# Allegro board pc065a_toplevel_43_allrouted.brd (continued)
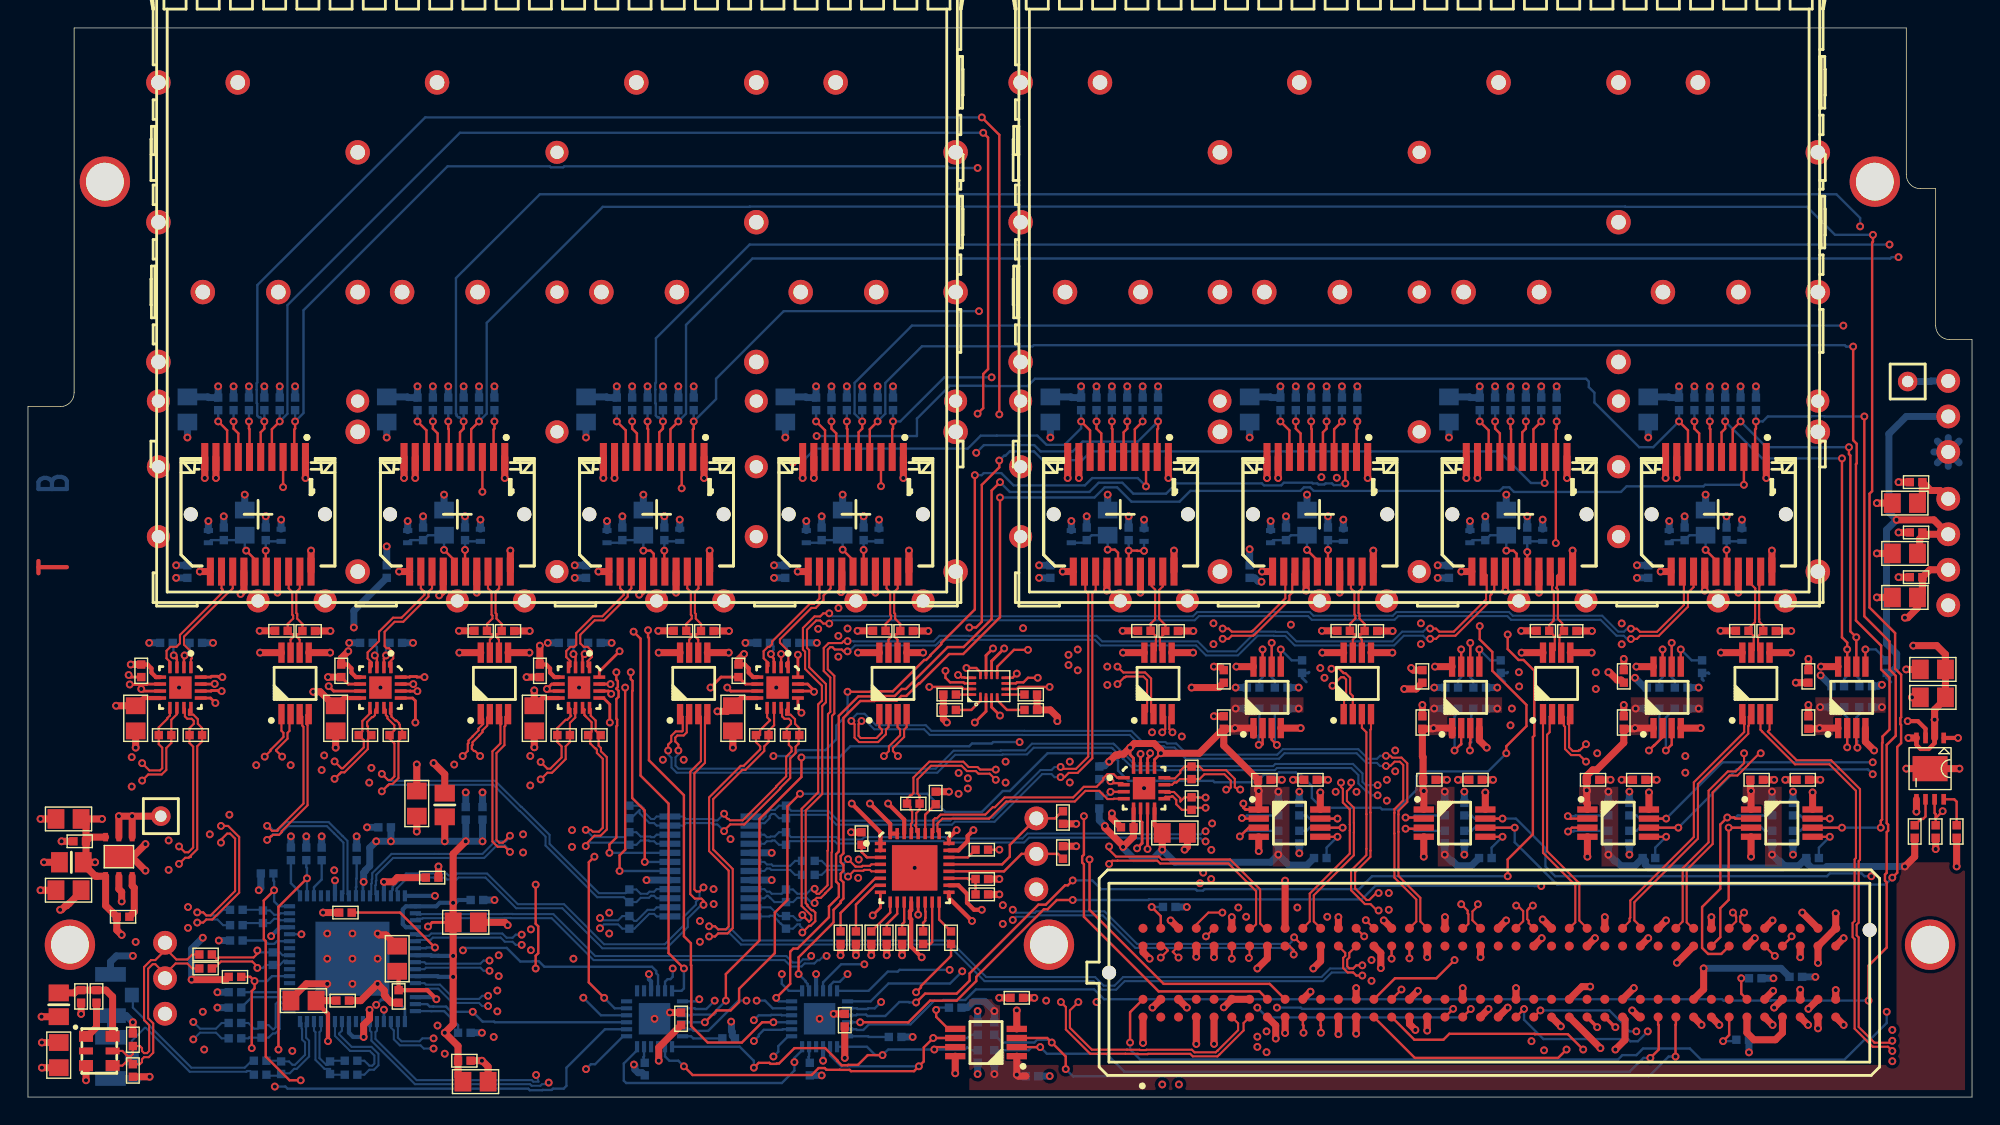
[diagram p0: board, top side]
## Routing (per net, layer and track width the routed paths; a pad name or vN(x,y) marks a point on that pad's centre or on a via; arc(x,y) is an arc through that point) (continued)
  TOP w0.15: IC4.10 10.65,27.39 10.25,26.99 R61.2 10.25,25.34 9.89,24.98 9.89,23.41 9.56,23.08 8.6,23.08 v1(8.16,22.65) ; v1(90.5,10.2) 90.5,10.51 90.2,10.8 89.89,10.8
  L3 w0.15: v1(8.16,22.65) 8.61,23.09 14.18,23.09 16.48,20.79 32.89,20.79 32.93,20.83 48.17,20.83 49.83,22.49 65.94,22.49 66.14,22.29 66.71,22.29 66.92,22.08 v1(67.2,22.08)
  L4 w0.15: v1(67.2,22.08) 67.63,22.08 67.84,22.29 68.11,22.29 68.6,21.8 68.6,13.73 68.72,13.61 68.72,13.55 69.36,12.91 70.27,12.91 70.41,12.76 v1(70.41,12.67)
  BOTTOM w0.15: v1(90.5,10.2) 90.35,10.35 90.35,10.52 90.2,10.67 79.18,10.67 76.85,13 72.22,13 72.12,12.9 70.64,12.9 v1(70.41,12.67)
FMC_LA_P<4>: length 84.6
  TOP w0.15: J10.H10 91.64,12.57 91.64,14.56 94.51,17.42 94.51,19.06 94.52,19.06 94.52,19.49 94.51,19.49 94.51,20.58 94.02,21.07 94.02,22.06 93.88,22.19 v1(93.88,22.5) ; U4.1 32.38,27.25 32.49,27.13 32.49,27.11 32.55,27.06 32.55,26.7 32.21,26.36 32.21,26.23 31.8,25.83 31.8,25.81 31.5,25.51 31.5,25.32 31.45,25.27 31.45,24.76 v1(31.08,24.4)
  L3 w0.15: v1(93.88,22.5) 93.88,22.93 94.09,23.14 94.09,23.41 93.94,23.56 93.6,23.56 93.19,23.98 87.46,23.98 87.34,24.09 84.97,24.09 82.45,26.62 79.85,26.62 78.91,25.68 73.51,25.68 72.35,24.52 69.69,24.52 69.66,24.49 68.23,24.49 67.83,24.09 66.71,24.09 66.11,23.49 55.66,23.49 55.64,23.48 49.11,23.48 47.83,22.19 38.03,22.19 37.31,21.47 33.74,21.47 31.62,23.59 31.62,23.86 v1(31.08,24.4)
FMC_LA_P<6>: length 24.4
  TOP w0.17: 91.16,5.73 91.16,5.16 91.2,5.12 v1(91.2,4.6) ; IC12.3 87.28,19.27 v1(86.65,18.65)
  L3 w0.17: v1(86.54,13.56) v1(90.76,13.56)
  L4 w0.17: v1(90.76,13.56) 90.76,12.04 91.1,11.7 91.1,9.86 90.76,9.52 90.76,5.04 v1(91.2,4.6) ; v1(86.65,18.65) 86.65,18.16 86.54,18.05 v1(86.54,13.56)
  BOTTOM w0.17: R136.1 87.05,19.05 v1(86.65,18.65)
FMC_LA_P<7>: length 72
  TOP w0.15: U5.1 46.81,27.21 46.81,26.21 46.76,26.16 46.31,26.16 45.99,25.84 45.99,25.44 45.77,25.22 v1(45.77,24.79) ; J10.H13 v1(95.54,11.5)
  L4 w0.15: v1(96.5,21.59) 96.78,21.59 96.98,21.79 97.31,21.79 97.67,21.42 97.67,21 97.58,20.91 97.58,19.18 96.39,17.99 96.39,16.83 94.88,15.31 94.88,14.41 94.52,14.06 94.52,12.32 94.85,11.98 95.14,11.98 95.16,11.97 v1(95.54,11.5)
  BOTTOM w0.15: v1(96.5,21.59) 96.07,21.59 95.74,21.92 95.64,21.92 95.12,22.44 95.12,23.04 94.62,23.55 89.3,23.55 89.15,23.39 79.14,23.39 78.33,24.2 78.3,24.2 77.56,24.94 77.55,24.94 77.49,25 71.91,25 71.43,24.52 69.69,24.52 69.66,24.49 66.3,24.49 65.02,23.21 46.38,23.21 46.01,23.58 46.01,24.28 45.77,24.51 v1(45.77,24.79)
FMC_LA_P<8>: length 72.7
  TOP w0.15: v1(48.7,11.49) 49.13,11.49 49.35,11.71 50.02,11.71 50.39,12.08 50.39,16.32 48.99,17.72 48.99,21.32 51.08,23.41 51.29,23.41 52.65,24.76 52.65,25.09 52.95,25.4 R73.2 52.95,26.2 53.35,26.6 IC7.10 ; 93.69,10.8 94.19,10.32 94.19,10.1 94.03,9.95 94.03,9.23 94.35,8.91 94.76,8.91 94.98,8.69 v1(95.4,8.69)
  BOTTOM w0.15: v1(48.7,11.49) 49.13,11.49 49.35,11.71 50.18,11.71 50.98,10.91 65.78,10.91 68.39,8.29 76.18,8.29 76.8,7.68 77.8,7.68 78.42,8.29 92.61,8.29 93.22,8.91 94.76,8.91 94.98,8.69 v1(95.4,8.69)
FMC_LA_P<9>: length 27.3
  TOP w0.17: v1(102,9.8) 100.7,8.5 97.74,8.5 J10.D14 ; v1(103.1,24.8) 103.1,25.37 103.12,25.39 IC18.3
  L4 w0.17: v1(102,9.8) 102,13.53 101.95,13.58 101.95,19.65 103.3,21 103.3,24.11 103.1,24.31 v1(103.1,24.8)
  BOTTOM w0.17: v1(103.1,24.8) 103.1,25.29 103.19,25.38 103.19,27.33 103.35,27.49 R161.1
FMC_LA_P<10>: length 35.3
  TOP w0.17: IC15.3 110.39,19.27 v1(110.11,19) ; v1(110.01,3.4) 109.41,2.8 99.16,2.8 96.23,5.73
  L4 w0.17: v1(110.01,3.4) 110.01,3.92 110.11,4.02 110.11,4.83 110.12,4.84 110.12,5.28 110.11,5.29 v1(110.11,19)
  BOTTOM w0.17: v1(110.11,19) 110.5,19 110.55,19.05 R146.1
FMC_LA_P<11>: length 57.9
  TOP w0.15: 98.78,12.08 99.27,12.57 99.27,14.13 97.7,15.7 97.7,18.86 97.69,18.87 97.69,20.33 97.7,20.34 97.7,20.6 98.33,21.23 98.33,23.76 98.09,24 97.71,24 97.41,23.69 v1(97.1,23.69) ; v1(59.6,26.91) 59.6,26.91 59.39,26.7 59.39,25.84 59.54,25.69 60.66,25.69 61.05,26.08 61.05,26.29 60.88,26.47 U6.1
  BOTTOM w0.15: v1(97.1,23.69) 96.67,23.69 96.45,23.91 95.69,23.91 95,24.6 89.84,24.6 89.45,24.21 82.78,24.21 81.98,25.01 81.32,25.01 81.21,25.12 80.45,25.12 80.45,25.12 79.57,25.12 78.78,25.91 71.12,25.91 71.11,25.91 64.47,25.91 64.07,26.31 60.51,26.31 59.92,26.91 v1(59.6,26.91)
FMC_LA_P<12>: length 14.8
  TOP w0.17: v1(97.5,9.9) 97.5,10.8 97.5,10.8 ; IC14.3 99.72,19.2 v1(98.5,19.2)
  L4 w0.17: v1(97.5,9.9) 98.5,10.9 v1(98.5,19.2)
  BOTTOM w0.17: v1(98.5,19.2) 98.99,19.2 99.14,19.05 R141.1
FMC_LA_P<14>: length 36.8
  TOP w0.17: IC17.3 88.92,25.57 v1(89.3,25.2) ; 101.31,5.73 v1(101.9,6.31)
  L4 w0.17: v1(89.3,6.4) 89.3,9.26 89.17,9.38 89.17,9.82 89.3,9.94 89.3,16.7 88.88,17.13 88.88,22.07 88.9,22.1 88.9,22.69 89.35,23.14 89.35,24.65 89.3,24.7 v1(89.3,25.2)
  BOTTOM w0.17: v1(101.9,6.31) 91.09,6.31 91,6.4 v1(89.3,6.4) ; R156.1 89.15,25.45 89.3,25.31 v1(89.3,25.2)
FMC_LA_P<15>: length 52.4
  TOP w0.15: U10.1 80.02,27.59 80.02,29.83 79.75,30.09 78.51,30.09 78.46,30.04 78.39,30.04 v1(77.9,29.55) ; J10.H19 102.67,12.08 102.99,12.39 102.99,13.09 102.94,13.14 102.94,13.34 v1(102.48,13.8)
  L3 w0.15: v1(77.9,29.55) 78.27,29.92 91.33,29.92 93.16,28.1 97.96,28.1 99.08,26.98 100.16,26.98 100.18,26.96 103.23,26.96 103.27,26.95 105.65,26.95 v1(106,26.6)
  L4 w0.15: v1(102.48,13.8) 102.99,14.31 102.99,15.02 104.45,16.48 104.45,21.29 104.74,21.58 104.74,21.58 106.9,23.74 106.9,26.45 106.48,26.87 106.27,26.87 v1(106,26.6)
FMC_LA_P<18>: length 38.5
  TOP w0.17: IC19.3 117.53,25.21 v1(117.11,24.8) ; J10.C22 v1(106.97,6.3)
  L4 w0.17: v1(115.82,4.7) 118.86,7.74 118.86,21.55 117.97,22.43 117.97,23.94 v1(117.11,24.8)
  BOTTOM w0.17: v1(115.82,4.7) 115.11,3.99 114.57,3.99 114.41,4.15 108.35,4.15 106.97,5.53 v1(106.97,6.3) ; R166.1 117.11,27.16 v1(117.11,24.8)
FMC_LA_P<19>: length 37.6
  TOP w0.15: U9.1 94.1,27.42 94.1,28.54 94.24,28.68 94.24,29.88 94.09,30.04 93.88,30.04 v1(93.27,29.43) ; v1(106.41,13.7) 106.51,13.6 106.61,13.6 106.91,13.31 106.91,12.59 106.39,12.08
  L3 w0.15: v1(106.62,29.38) 105.91,30.09 101.06,30.09 100.94,29.98 100.26,29.98 100.14,30.09 99.59,30.09 99.28,29.78 93.58,29.78 v1(93.27,29.43)
  L4 w0.15: v1(106.62,29.38) 107.06,29.82 107.3,29.82 107.57,29.55 107.57,23.01 106.83,22.27 106.83,13.95 106.58,13.7 v1(106.41,13.7)
FMC_LA_P<21>: length 16.5
  TOP w0.15: 110.2,12.08 110.63,12.5 110.63,15.17 108.33,17.48 U8.1
FMC_LA_P<24>: length 19
  TOP w0.15: 114.02,12.08 114.51,12.57 114.51,12.78 114.57,12.84 114.57,14.07 119.11,18.61 119.11,22.52 122.71,26.12 122.71,26.66 122.75,26.7 122.75,27.2 122.58,27.37 U7.1
FMC_LA_P<27>: length 72.4
  TOP w0.17: v1(73.05,29.34) 70.85,29.34 70.7,29.2 IC21.6
  TOP w0.254: J10.C26 v1(112.2,5)
  L3 w0.17: v1(112.1,29.2) 109.97,31.33 107.06,31.33 107.01,31.27 106.58,31.27 106.53,31.33 97.82,31.33 97.77,31.27 92.33,31.27 92.28,31.33 91.59,31.33 91.44,31.17 87.36,31.17 87.26,31.27 86.67,31.27 86.62,31.33 86.18,31.33 86.13,31.27 85.06,31.27 85.01,31.33 84.58,31.33 84.53,31.27 81.33,31.27 80.28,32.33 77.95,32.33 76.64,31.02 76.64,30.45 75.55,29.34 v1(73.05,29.34)
  L4 w0.2: v1(112.1,29.2) 112.76,28.54 112.76,24.37 112.14,23.74 112.14,23.6 112.04,23.51 112.04,16.69 112.06,16.67 112.06,16.54 113.5,15.1 113.5,6.9 112.62,6.02 112.62,5.42 v1(112.2,5)
FMC_LA_P<28>: length 127.9
  TOP w0.15: v1(21.92,22.77) 22.28,23.13 22.29,23.13 22.39,23.24 22.64,23.24 24.3,24.9 24.3,25.6 24.55,25.85 R65.2 24.3,26.15 24.3,26.52 24.25,26.57 24.25,26.84 24.6,27.19 24.67,27.19 24.81,27.33 24.81,27.6 24.84,27.63 24.84,27.74 IC5.10 ; 117.83,12.08 118.31,12.56 118.31,16.37 120.17,18.23 120.17,21.92 121.54,23.3 122.11,23.3 122.7,23.89 v1(122.7,24.6)
  L3 w0.15: v1(21.92,22.77) 22.39,23.23 22.51,23.23 22.53,23.26 22.7,23.26 27.13,27.69 47.23,27.69 47.68,28.15 84.62,28.15 85,27.77 85.01,27.77 85.78,26.99 85.99,26.99 86,26.98 97.69,26.98 99.16,25.5 101.8,25.5 102.09,25.79 103.25,25.79 103.39,25.65 104.44,25.65 104.59,25.49 107.15,25.49 107.2,25.54 109.65,25.54 110.1,25.99 112.77,25.99 113.28,25.48 116.49,25.48 116.65,25.64 119.16,25.64 119.25,25.55 119.95,25.55 120.04,25.64 122.83,25.64 122.98,25.49 122.98,24.88 v1(122.7,24.6)
FMC_LA_P<30>: length 107.6
  TOP w0.15: 121.64,12.08 122.14,12.58 122.14,12.87 122.11,12.9 122.11,12.99 v1(121.9,13.2) ; v1(36.66,22.73) 37.14,23.21 37.47,23.21 38.45,24.18 38.45,25.09 38.75,25.4 R69.2 38.75,26.78 39.13,27.16 39.13,27.4 39.08,27.45 39.08,27.78 IC6.10
  L3 w0.15: v1(36.66,22.73) 37.21,23.28 42.21,23.28 44.71,25.77 49.15,25.77 53.64,25.72 53.97,25.39 64.64,25.39 64.64,25.39 64.65,25.39 64.65,25.39 67.96,25.39 68.56,25.99 71.96,25.99 73.39,27.41 73.81,27.41 73.82,27.41 83.15,27.41 84.85,25.71 85.82,25.71 85.96,25.58 86.64,25.58 86.78,25.71 88.21,25.71 88.22,25.71 90.52,25.71 90.66,25.58 97.79,25.58 99.42,23.94 102.27,23.94 102.52,23.69 109.5,23.69 110.2,22.99 111.63,22.99 112.39,23.75 117.96,23.75 v1(118.5,23.21)
  L4 w0.15: v1(121.9,13.2) 121.9,13.63 122.14,13.87 122.14,21.6 120.05,23.7 119.12,23.7 119.1,23.68 119.11,23.68 118.97,23.68 v1(118.5,23.21)
FMC_LA_P<31>: length 13.8
  TOP w0.17: IC16.3 v1(121.6,19.27) 121.6,14.11 121,13.51 121,11.44 J10.G33
  BOTTOM w0.17: v1(121.6,19.27) 123.96,19.27 124.19,19.05 R151.1
FMC_LA_P<33>: length 23.1
  TOP w0.17: v1(130.8,25) 130.72,25.08 130.72,26.4 ; v1(124.9,10.1) 124.88,10.1 J10.G36
  L4 w0.17: v1(130.8,25) 130.8,15.46 125.44,10.1 v1(124.9,10.1)
  BOTTOM w0.17: v1(130.8,25) 130.8,25.49 130.72,25.57 130.72,27.16 130.95,27.39 R171.1
I2C_SCL: length 110.1
  TOP w0.17: v1(61.1,3) 60.04,3 59.35,2.3 58.65,2.3 58.62,2.28 58.18,2.28 57.88,2.58 57.88,2.62 57,3.5 54.8,3.5 53.7,2.4 53.54,2.4 53.52,2.38 53.08,2.38 53.01,2.45 52.25,2.45 v1(51.9,2.1) ; v1(64.8,3.4) 64.97,3.58 IC11.7 ; R94.1 73.65,17.4 J1.2 71.04,17.4 69.79,16.15 IC9.20 ; v1(17.6,14.8) 16.86,14.06 16.86,11.3 17,11.16 17,2.9 18.7,1.2 v1(19.5,1.2)
  L3 w0.17: v1(51.9,2.1) 51.41,2.1 50.78,1.47 38.73,1.47 38.2,2 36.68,2 36.63,2.05 36.61,2.05 36.55,2.11 36.11,2.11 36.01,2 35.6,2 34.4,0.8 19.9,0.8 v1(19.5,1.2)
  L4 w0.17: J1.2 73.19,16.3 73.19,13.99 70.95,11.75 70.95,7.27 67.09,3.4 v1(64.8,3.4)
  BOTTOM w0.17: IC3.16 17.95,13.65 17.6,14 v1(17.6,14.8) 17.6,15.44 17.55,15.49 R7.2 ; R135.1 67.39,3.35 67.16,3.58 66.99,3.4 v1(64.8,3.4) 61.5,3.4 v1(61.1,3) 60.58,3 59.98,3.6 IC10.19 ; IC23.19 50.89,3.6 51.9,2.59 v1(51.9,2.1)
I2C_SCL_CVCC: length 53
  TOP w0.17: 116.56,5.73 116.56,5.19 116.6,5.15 116.6,3.4 v1(116,2.8) ; IC11.2 v1(72.38,3.58)
  BOTTOM w0.17: v1(116,2.8) 115.51,2.8 114.51,1.81 78.39,1.81 77.1,3.1 72.85,3.1 v1(72.38,3.58) 72.37,3.57 71.77,3.57 71.55,3.35 R132.1
I2C_SDA: length 110.7
  TOP w0.17: IC11.6 v1(64.72,4.23) 64.05,3.55 64.05,2.55 v1(63.7,2.2) 63.35,1.85 58.85,1.85 58.75,1.95 58.05,1.95 58.04,1.95 57.09,1.95 56.97,2.08 56.53,2.08 56.03,1.58 47.52,1.58 v1(46.9,2.2) ; v1(19.95,15.65) 17.91,13.61 v1(17.91,3.4) ; R93.1 73.95,20.45 73.44,19.94 J1.3 70.2,18.04 70.2,17.2 69.65,16.65 IC9.21
  L3 w0.17: v1(17.91,3.4) 19.26,2.05 19.85,2.05 19.92,1.99 33.78,1.99 34.59,2.79 41.21,2.79 42.2,1.8 44.15,1.8 44.42,2.08 46.28,2.08 46.41,2.2 v1(46.9,2.2)
  L4 w0.17: v1(64.72,4.23) 66.71,4.23 68.42,5.94 68.42,9.68 71,12.26 71,18.84 J1.3
  BOTTOM w0.17: R8.2 19.9,16.44 19.95,16.39 v1(19.95,15.65) IC3.18 ; v1(46.9,2.2) 46.5,2.6 45.86,2.6 45.55,2.91 IC23.20 ; v1(63.7,2.2) 58.14,2.2 57.35,2.99 IC10.20 ; R134.1 67.39,4.45 67.16,4.23 v1(64.72,4.23)
I2C_SDA_CVCC: length 56.7
  TOP w0.17: v1(74.2,2) 74.2,2.9 v1(73.2,3.9) 72.88,4.23 IC11.3 ; v1(117.8,2.9) 117.8,5.17 117.83,5.19 J10.C31
  BOTTOM w0.17: v1(117.8,2.9) 117.31,2.9 115.88,1.48 74.72,1.48 v1(74.2,2) ; v1(73.2,3.9) 73,4.1 72.16,4.1 71.96,3.9 69.65,3.9 R131.1
MOD_ABS: length 3.4
  TOP w0.17: v1(15.8,48.35) 15.8,47.83 15.84,47.79 J7.6
  BOTTOM w0.17: R26.1 v1(15.8,48.35)
MOD_ABS_1: length 3.4
  TOP w0.17: v1(30.05,48.35) 30.05,47.83 30.09,47.79 J12.6
  BOTTOM w0.17: R38.1 v1(30.05,48.35)
MOD_ABS_2: length 3.4
  TOP w0.17: v1(44.3,48.35) 44.3,47.83 44.34,47.79 J16.6
  BOTTOM w0.17: R46.1 v1(44.3,48.35)
MOD_ABS_3: length 3.4
  TOP w0.17: J20.6 58.59,47.79 58.55,47.83 v1(58.55,48.35)
  BOTTOM w0.17: R54.1 v1(58.55,48.35)
MOD_ABS_4: length 3.4
  TOP w0.17: v1(120.25,48.35) 120.25,47.83 120.29,47.79 J24.6
  BOTTOM w0.17: R103.1 v1(120.25,48.35)
MOD_ABS_5: length 3.4
  TOP w0.17: J28.6 106.04,47.79 106,47.83 v1(106,48.35)
  BOTTOM w0.17: R111.1 v1(106,48.35)
MOD_ABS_6: length 3.4
  TOP w0.17: v1(91.75,48.35) 91.75,47.83 91.79,47.79 J32.6
  BOTTOM w0.17: R119.1 v1(91.75,48.35)
MOD_ABS_7: length 3.4
  TOP w0.17: J36.6 77.54,47.79 77.5,47.83 v1(77.5,48.35)
  BOTTOM w0.17: R127.1 v1(77.5,48.35)
MUX_OUT_N: length 3.9
  BOTTOM w0.15: C55.1 54.85,15.9 54.49,16.26 53.14,16.26 53.04,16.36 52.83,16.36 52.65,16.18 51.7,16.18
MUX_OUT_P: length 3.9
  BOTTOM w0.15: C56.1 54.85,16.9 54.49,16.55 53.26,16.55 53.16,16.64 52.83,16.64 52.65,16.82 IC8.18
MUX_SEL<0>: length 42.5
  TOP w0.17: v1(64.44,29.34) 66.75,29.34 66.9,29.2 IC21.15 ; v1(42.7,29.3) 42.7,17.7 42.3,17.3 v1(42.3,16.18)
  L3 w0.17: v1(42.7,29.3) 43.23,28.77 54.77,28.77 55.34,29.34 55.8,29.34 56.03,29.58 56.47,29.58 56.7,29.34 58.2,29.34 58.38,29.52 58.82,29.52 59,29.34 v1(64.44,29.34)
  BOTTOM w0.17: 45.9,16.18 v1(42.3,16.18)
MUX_SEL<1>: length 41
  TOP w0.17: v1(44.1,16.82) 44.1,20.5 43.2,21.4 43.2,29.06 43.23,29.08 43.23,29.78 43.1,29.91 v1(43.1,30.4) ; IC21.14 66.96,29.6 66.89,29.67 65.93,29.67 65.6,30.01 v1(65.6,30.5)
  L3 w0.17: v1(65.6,30.5) 65.11,30.5 65.01,30.4 59.22,30.4 59.07,30.26 43.24,30.26 v1(43.1,30.4)
  BOTTOM w0.17: IC8.7 v1(44.1,16.82)
MUX_SEL<2>: length 43.7
  TOP w0.17: v1(66.5,30.2) 66.6,30.2 66.77,30.03 66.94,30.03 66.98,30 IC21.13 ; v1(42.07,30.4) 42.07,29.87 42.17,29.77 42.17,29.33 42.07,29.23 42.07,29.22 42.23,29.07 42.23,28.63 42.07,28.48 42.07,27.07 42.12,27.02 42.12,26.58 42.07,26.53 42.07,18.57 41.58,18.07 v1(41.58,17.48)
  L3 w0.17: v1(66.5,30.2) 66.15,29.85 65.94,29.85 65.82,29.98 65.78,29.98 65.71,29.91 55.9,29.91 55.87,29.88 42.59,29.88 v1(42.07,30.4)
  BOTTOM w0.17: 45.9,17.48 v1(41.58,17.48)
OSC_N: length 15.4
  TOP w0.15: 9.8,10.66 10.61,9.85 11.39,9.85 11.75,10.2 C30.2 ; 9.8,10.66 9.8,10.5 9.1,9.8 8.8,9.8 8.3,9.3 8.3,5.52 8.66,5.15 8.66,3.29 8.51,3.15 8.3,3.15 8.15,3.29 8.15,3.5 8,3.65 R4.2 7.5,3.08 7.34,2.92 7.13,2.92 6.75,3.3 QZ1.5 ; 9.8,10.66 J5.3
OSC_P: length 14.7
  TOP w0.15: J5.2 9.8,8.8 ; 9.8,8.8 9.8,8.81 9.1,9.51 8.92,9.51 8.59,9.18 8.59,5.64 8.95,5.27 8.95,3.17 8.63,2.86 8.3,2.86 8.15,2.71 8.15,2.5 8,2.35 R5.2 7.34,2.51 7.34,2.63 7.13,2.63 6.75,2.25 QZ1.4 ; 9.8,8.8 10.55,9.55 11.39,9.55 11.75,9.2 C29.2
POWER_GOOD: length 79.8
  TOP w0.17: J10.D1 78.8,6.07 v1(78.8,3.9) ; R182.2 136.4,19.96 ; 136.4,19.96 136.4,20.25 136.32,20.33 U11.7 ; 136.4,19.96 v1(136.9,20.46)
  L4 w0.17: v1(132.9,6.1) 132.9,7.46 132.88,7.48 132.88,7.92 132.9,7.94 132.9,13.3 137.25,17.65 137.25,20.11 v1(136.9,20.46)
  BOTTOM w0.17: v1(78.8,3.9) 78.8,3.4 79.52,2.69 113.69,2.69 114,3 115,3 115.47,3.48 118.82,3.48 119.62,2.68 129.88,2.68 131.3,4.1 131.7,4.1 132.9,5.3 v1(132.9,6.1)
PRSNT_L: length 2.6
  TOP w0.17: 81,12.08 81,12.95 v1(80.35,13.6)
  BOTTOM w0.17: R30.2 v1(80.35,13.6)
RD_BUF_N<0>: length 8.9
  TOP w0.15: IC4.4 10.15,31.15 9.91,31.39 9.91,31.94 10.19,32.22 10.62,32.22 10.87,32.47 10.87,33.07 13.91,36.11 13.91,36.33 13.84,36.4 J7.12
RD_BUF_N<1>: length 9.2
  TOP w0.15: IC5.4 24.52,30.75 24.59,30.82 24.59,31.08 24.29,31.39 24.29,31.81 25.1,32.63 25.1,33.3 26.1,34.3 26.71,34.3 28.34,35.93 28.34,36.14 28.09,36.4 J12.12
RD_BUF_N<2>: length 9.4
  TOP w0.15: IC6.4 38.72,30.75 38.79,30.82 38.79,31.18 38.48,31.49 38.48,31.91 38.79,32.22 39.06,32.22 39.2,32.35 39.2,33.2 40.4,34.4 41.06,34.4 42.59,35.93 42.59,36.14 42.34,36.4 J16.12
RD_BUF_N<3>: length 8.9
  TOP w0.15: IC7.4 52.94,30.84 52.94,31.06 52.6,31.4 52.6,31.91 52.91,32.22 53.02,32.22 53.2,32.4 53.2,32.59 55.9,35.29 56.2,35.29 56.59,35.68 J20.12
RD_BUF_P<0>: length 8.6
  TOP w0.15: J7.13 14.64,36.4 14.38,36.14 14.35,36.14 11.16,32.95 11.16,32.37 11.71,31.81 11.71,31.39 11.65,31.32 IC4.1
RD_BUF_P<1>: length 9.2
  TOP w0.15: IC5.1 25.88,30.75 25.81,30.82 25.81,31.08 26.11,31.39 26.11,31.81 25.81,32.12 25.65,32.12 25.5,32.27 25.5,33.29 26.22,34.01 26.83,34.01 28.64,35.81 28.64,36.14 28.89,36.4 J12.13
RD_BUF_P<2>: length 9.5
  TOP w0.15: J16.13 43.14,36.4 42.88,36.14 42.88,35.81 41.18,34.11 40.52,34.11 39.49,33.08 39.49,32.46 39.74,32.22 40.01,32.22 40.31,31.91 40.31,31.49 40.01,31.18 40.01,30.82 40.08,30.75 IC6.1
RD_BUF_P<3>: length 8.9
  TOP w0.15: IC7.1 54.28,30.75 54.21,30.82 54.21,31.04 54.37,31.19 54.37,31.91 53.76,32.51 53.76,32.75 56.02,35 56.32,35 56.88,35.56 56.88,35.89 57.39,36.4 J20.13
RD_MUX_N<0>: length 50.2
  TOP w0.15: v1(10.8,17.93) 11.22,17.52 11.47,17.52 11.81,17.85 11.81,25.08 11.55,25.34 R60.1 11.55,26.4 11.86,26.71 11.86,26.92 11.71,27.07 11.39,27.07 11.22,27.24 11.22,27.77 11.15,27.84 IC4.11
  L3 w0.15: v1(40.9,12.81) 40.47,12.81 40.26,12.6 40.24,12.6 36.29,16.55 34.29,16.55 33.34,17.5 11.31,17.5 11.23,17.5 v1(10.8,17.93)
  BOTTOM w0.15: v1(40.9,12.81) 41.06,12.64 42.19,12.64 42.5,12.95 R74.2 43.35,12.6 43.5,12.6 44.3,13.39 44.77,13.39 44.95,13.57 IC8.2
RD_MUX_N<1>: length 31.6
  TOP w0.15: IC5.11 25.59,27.71 25.59,27.33 25.7,27.22 25.7,27.1 26.2,26.6 26.2,26.25 R64.1 25.85,25.65 26.2,25.3 26.2,22.95 25.94,22.69 25.74,22.69 v1(25.3,23.12)
  BOTTOM w0.15: v1(25.3,23.12) 25.79,22.63 33.4,22.63 35.26,20.77 35.29,20.77 37.3,18.76 37.3,18.11 40.82,14.59 42.72,14.59 42.74,14.61 42.76,14.61 R75.2 43.5,14.85 43.81,14.54 44.29,14.54 44.44,14.7 44.77,14.7 44.95,14.88 45.9,14.88
RD_MUX_N<2>: length 17.6
  TOP w0.15: 39.76,27.74 39.79,27.71 ; 39.76,27.74 IC6.11 ; 39.76,27.74 39.79,27.74 39.79,27.71 ; 39.79,27.71 39.79,27.33 ; 39.79,27.33 39.88,27.24 ; 39.79,27.33 40.3,26.82 40.3,26.15 R68.1 40.2,25.75 40.2,25.3 40.54,24.96 40.57,24.96 40.68,24.85 40.68,24.62 41.1,24.2 41.1,19.27 40.82,18.99 40.38,18.99 40.25,19.12 v1(39.88,19.12)
  BOTTOM w0.15: v1(39.88,19.12) 40.4,18.6 42.65,18.6 R76.2 43.5,18.95 43.81,18.64 44.51,18.64 44.56,18.59 44.77,18.59 44.95,18.77 IC8.10
RD_MUX_N<3>: length 19.5
  TOP w0.15: IC7.11 53.85,27.84 53.92,27.77 53.92,27.24 54.09,27.07 54.41,27.07 54.55,26.92 54.55,26.71 54.25,26.4 R72.1 54.4,25.75 54.4,25.2 54.6,25 54.6,24.74 54.21,24.35 54.21,22.95 53.49,22.23 53.49,22.19 51.1,19.8 50.19,19.8 50.09,19.9 50.03,19.9 49.77,20.15 v1(49.77,20.27)
  BOTTOM w0.15: v1(49.77,20.27) 49.3,19.8 49.08,19.8 48.98,19.89 47.03,19.89 46.85,20.08 IC8.12 44.95,20.08 44.77,19.89 44.56,19.89 44.02,20.43 44.02,20.67 43.83,20.85 R77.2
RD_MUX_N<4>: length 40.5
  TOP w0.15: J36.12 75.6,37.54 75.6,36.23 75.81,36.02 75.81,24.36 74.93,23.48 73.97,23.48 v1(73.83,23.62)
  BOTTOM w0.15: v1(73.83,23.62) 73.4,23.62 73.18,23.4 72.4,23.4 68.99,19.99 66.15,19.99 65.94,19.78 57.92,19.78 57.22,20.48 54.57,20.48 R78.2 53.7,20.85 53.39,20.55 53.06,20.55 52.74,20.23 52.74,20.08 52.55,19.88 51.89,19.88 IC8.13
RD_MUX_N<5>: length 57.7
  TOP w0.15: v1(85.42,33.52) 85.85,33.52 86.07,33.3 87.49,33.3 87.55,33.36 87.57,33.36 89.9,35.69 89.9,37.49 J32.12
  L4 w0.15: v1(84.2,19.02) 84.84,19.02 85.18,19.36 85.18,20.28 84.8,20.66 84.8,22.5 83.94,23.36 83.94,32.89 84.43,33.38 85.01,33.38 85.14,33.52 v1(85.42,33.52)
  BOTTOM w0.15: IC8.15 52.65,18.77 52.83,18.59 53.04,18.59 53.09,18.64 53.39,18.64 53.7,18.95 R79.2 54.55,18.6 57.8,18.6 57.97,18.44 59.63,18.44 59.8,18.6 65.59,18.6 65.68,18.51 71.11,18.51 71.45,18.86 79.38,18.86 79.44,18.8 83.85,18.8 84.07,19.02 v1(84.2,19.02)
RD_MUX_N<6>: length 76.4
  TOP w0.15: v1(58.6,32.62) 58.32,32.62 58.19,32.48 57.25,32.48 56.9,32.13 56.9,30.48 57.37,30.02 57.37,27.57 57.2,27.4 57.2,17.66 57.17,17.63 57.17,15.15 56.73,14.71 56.73,14.7 56.57,14.54 56.4,14.54 56.25,14.69 v1(56.25,14.9) ; v1(100.25,33.52) 100.68,33.52 100.9,33.3 101.94,33.3 104.25,35.61 104.25,36.07 104.3,36.12 104.3,37.34 J28.12
  BOTTOM w0.15: v1(56.25,14.9) 56.03,14.9 55.67,14.54 55.22,14.54 55.01,14.54 54.7,14.85 R80.2 53.9,14.54 53.18,14.54 53.03,14.7 52.83,14.7 52.65,14.88 51.7,14.88 ; v1(58.6,32.62) 59.03,32.62 59.04,32.6 64.77,32.6 65.17,33.01 67.27,33.01 67.29,32.98 67.71,32.98 67.73,33.01 76.41,33.01 76.81,32.6 83.64,32.6 84.35,31.89 86.39,31.89 87.81,33.3 89.19,33.3 89.21,33.29 90.02,33.29 90.69,32.6 97.56,32.6 98.25,33.3 99.75,33.3 99.97,33.52 v1(100.25,33.52)
RD_MUX_N<7>: length 95.4
  TOP w0.15: J24.12 118.4,37.49 118.4,35.21 116.48,33.29 115.26,33.29 115.04,33.51 v1(114.61,33.51) ; v1(55.37,13.02) 55.85,12.54 56.01,12.7 56.01,12.99 55.32,13.67 55.32,20.62 56.5,21.8 56.5,28.1 56.77,28.37 56.77,29.44 55.56,30.63 55.56,31.86 55.41,32.02 55.41,33.56 56.24,34.39 56.64,34.39 56.86,34.61 v1(57.29,34.61)
  BOTTOM w0.15: v1(57.29,34.61) 57.5,34.41 83.3,34.41 83.6,34.7 91.65,34.7 91.91,34.44 97.59,34.44 97.85,34.7 105.9,34.7 106.16,34.44 112.56,34.44 113.7,33.3 114.12,33.3 114.33,33.51 v1(114.61,33.51) ; v1(55.37,13.02) 55.37,12.79 55.22,12.64 55.01,12.64 54.7,12.95 R81.2 53.71,12.95 53.09,13.57 IC8.23
RD_MUX_P<0>: length 50.8
  TOP w0.15: v1(10.8,16.68) 11.24,17.12 11.49,17.12 11.54,17.17 11.61,17.17 11.63,17.19 11.63,17.26 12.1,17.73 12.1,25.1 12.45,25.45 R60.2 12.45,26.4 12.14,26.71 12.14,27.04 11.83,27.36 11.51,27.36 11.51,27.71 IC4.12
  L3 w0.15: v1(40.9,12.08) 40.47,12.08 40.26,12.29 40.11,12.29 36.16,16.24 34.16,16.24 33.21,17.19 11.32,17.19 11.31,17.19 v1(10.8,16.68)
  BOTTOM w0.15: IC8.1 44.95,12.93 44.77,13.11 44.42,13.11 43.36,12.05 R74.1 42.5,12.05 42.19,12.36 41.17,12.36 v1(40.9,12.08)
RD_MUX_P<1>: length 32.1
  TOP w0.15: v1(25.3,21.88) 25.72,22.29 25.73,22.29 25.84,22.4 26.06,22.4 26.49,22.83 26.49,25.49 26.75,25.75 R64.2 26.75,26.27 26.59,26.43 26.59,26.62 26.54,26.68 26.54,26.75 26.34,26.95 26.26,26.95 25.99,27.22 25.99,27.34 25.88,27.45 25.88,27.78 IC5.12
  BOTTOM w0.15: IC8.3 44.95,14.23 44.77,14.41 44.56,14.41 44.41,14.26 43.81,14.26 43.5,13.95 R75.1 42.95,13.95 42.6,14.3 40.7,14.3 37.01,17.99 37.01,18.64 35.17,20.48 35.14,20.48 33.28,22.34 25.76,22.34 v1(25.3,21.88)
RD_MUX_P<2>: length 17.9
  TOP w0.15: IC6.12 40.24,27.76 40.24,27.29 40.59,26.94 40.59,26.21 40.9,25.9 R68.2 40.8,25.75 40.8,25.14 40.97,24.97 40.97,24.74 41.39,24.32 41.39,19.15 40.94,18.7 40.5,18.7 39.88,18.08 v1(39.88,17.96)
  BOTTOM w0.15: IC8.9 44.95,18.12 44.77,18.3 44.44,18.3 44.39,18.36 43.81,18.36 43.5,18.05 R76.1 42.83,18.22 42.81,18.21 40.24,18.21 40.18,18.26 v1(39.88,17.96)
RD_MUX_P<3>: length 20.2
  TOP w0.15: v1(49.77,19.03) 49.77,19.07 50.21,19.51 51.22,19.51 53.78,22.07 53.78,22.11 54.5,22.83 54.5,24.23 54.89,24.62 54.89,25.07 55.1,25.29 55.1,25.85 R72.2 55.15,26.4 54.84,26.71 54.84,27.04 54.53,27.36 54.21,27.36 54.21,27.71 IC7.12
  BOTTOM w0.15: v1(49.77,19.03) 49.3,19.51 48.96,19.51 48.86,19.61 47.03,19.61 46.85,19.43 IC8.11 44.95,19.43 44.77,19.61 44.44,19.61 43.73,20.31 43.73,20.55 43.13,19.95 R77.1
RD_MUX_P<4>: length 41
  TOP w0.15: v1(73.83,22.89) 74.11,22.89 74.42,23.2 75.05,23.2 76.1,24.24 76.1,36.05 76.34,36.29 J36.13
  BOTTOM w0.15: IC8.14 52.25,19.43 52.42,19.59 52.67,19.59 53.03,19.96 53.03,20.11 53.18,20.26 53.39,20.26 53.7,19.95 R78.1 54.44,20.19 57.1,20.19 57.8,19.49 66.06,19.49 66.27,19.7 69.11,19.7 72.52,23.11 73.18,23.11 73.4,22.89 v1(73.83,22.89)
RD_MUX_P<5>: length 58.6
  TOP w0.15: v1(85.42,32.79) 85.85,32.79 86.07,33.01 87.61,33.01 87.67,33.07 87.69,33.07 90.19,35.57 90.19,35.88 90.4,36.09 90.4,37.41 J32.13
  L4 w0.15: v1(85.42,32.79) 85.14,32.79 84.86,33.08 84.56,33.08 84.25,32.76 84.25,23.49 85.11,22.63 85.11,20.79 85.49,20.41 85.49,19.24 84.84,18.58 84.84,18.5 84.63,18.29 v1(84.2,18.29)
  BOTTOM w0.15: IC8.16 52.65,18.12 52.83,18.3 53.16,18.3 53.21,18.36 53.39,18.36 53.7,18.05 R79.1 54.46,18.31 57.68,18.31 57.84,18.14 59.76,18.14 59.92,18.31 65.47,18.31 65.56,18.21 71.23,18.21 71.58,18.57 79.26,18.57 79.32,18.51 83.85,18.51 84.07,18.29 v1(84.2,18.29)
RD_MUX_P<6>: length 77.2
  TOP w0.15: v1(56.25,13.88) 56.25,14.1 56.4,14.25 56.69,14.25 57.02,14.58 57.02,14.59 57.46,15.03 57.46,17.51 57.49,17.54 57.49,27.28 57.66,27.44 57.66,30.14 57.19,30.6 57.19,32.01 57.37,32.2 57.52,32.2 57.69,32.02 58.19,32.02 58.32,31.89 v1(58.6,31.89) ; J28.13 104.84,36.29 104.69,36.14 104.69,36.1 104.64,36.05 104.64,35.98 104.54,35.88 104.54,35.49 102.06,33.01 100.9,33.01 100.68,32.79 v1(100.25,32.79)
  BOTTOM w0.15: v1(58.6,31.89) 58.71,31.89 59.13,32.31 64.89,32.31 65.29,32.72 67.15,32.72 67.17,32.7 67.83,32.7 67.85,32.72 76.28,32.72 76.68,32.31 83.52,32.31 84.23,31.6 86.51,31.6 87.93,33.02 89.07,33.02 89.09,32.99 89.89,32.99 90.57,32.31 97.68,32.31 98.37,33.01 99.75,33.01 99.97,32.79 v1(100.25,32.79) ; v1(56.25,13.88) 56.04,13.88 55.67,14.25 55.1,14.25 55.01,14.26 54.7,13.95 R80.1 53.38,13.95 53.07,14.26 53.06,14.26 52.91,14.41 52.83,14.41 52.65,14.23 IC8.22
RD_MUX_P<7>: length 96.4
  TOP w0.15: v1(57.29,33.88) 56.86,33.88 56.64,34.1 56.36,34.1 55.7,33.44 55.7,32.14 55.85,31.98 55.85,30.76 57.05,29.56 57.05,28.24 56.79,27.98 56.79,21.68 55.61,20.5 55.61,13.88 55.73,13.75 55.73,13.67 56.03,13.37 56.13,13.37 56.3,13.2 56.3,12.58 55.97,12.25 55.85,12.25 v1(55.37,11.78) ; v1(114.61,32.78) 115.04,32.78 115.26,33 116.6,33 118.69,35.09 118.69,36.09 119.09,36.49 J24.13
  BOTTOM w0.15: v1(57.29,33.88) 57.52,34.12 83.42,34.12 83.72,34.41 91.53,34.41 91.79,34.15 97.71,34.15 97.97,34.41 105.78,34.41 106.04,34.15 112.44,34.15 113.58,33.01 114.1,33.01 114.33,32.78 v1(114.61,32.78) ; v1(55.37,11.78) 55.37,12.08 55.2,12.25 55.2,12.36 55.01,12.36 54.7,12.05 R81.1 53.84,12.42 53.8,12.42 53.66,12.55 53.66,12.59 53.27,12.98 53.06,12.98 53.01,12.93 IC8.24
